# Altium PCB FX_PCB.PcbDoc (part 1 of 7)
Units mil, origin at the board's own origin, x right, y up, seen from the top; angles counter-clockwise.
Board outline 5533 x 3907 mil, 2 copper layers (Top Layer, Bottom Layer); 117 components, 100 nets, 439 pads, 176 vias.
Unrouted connection lines stored in the file: 106.
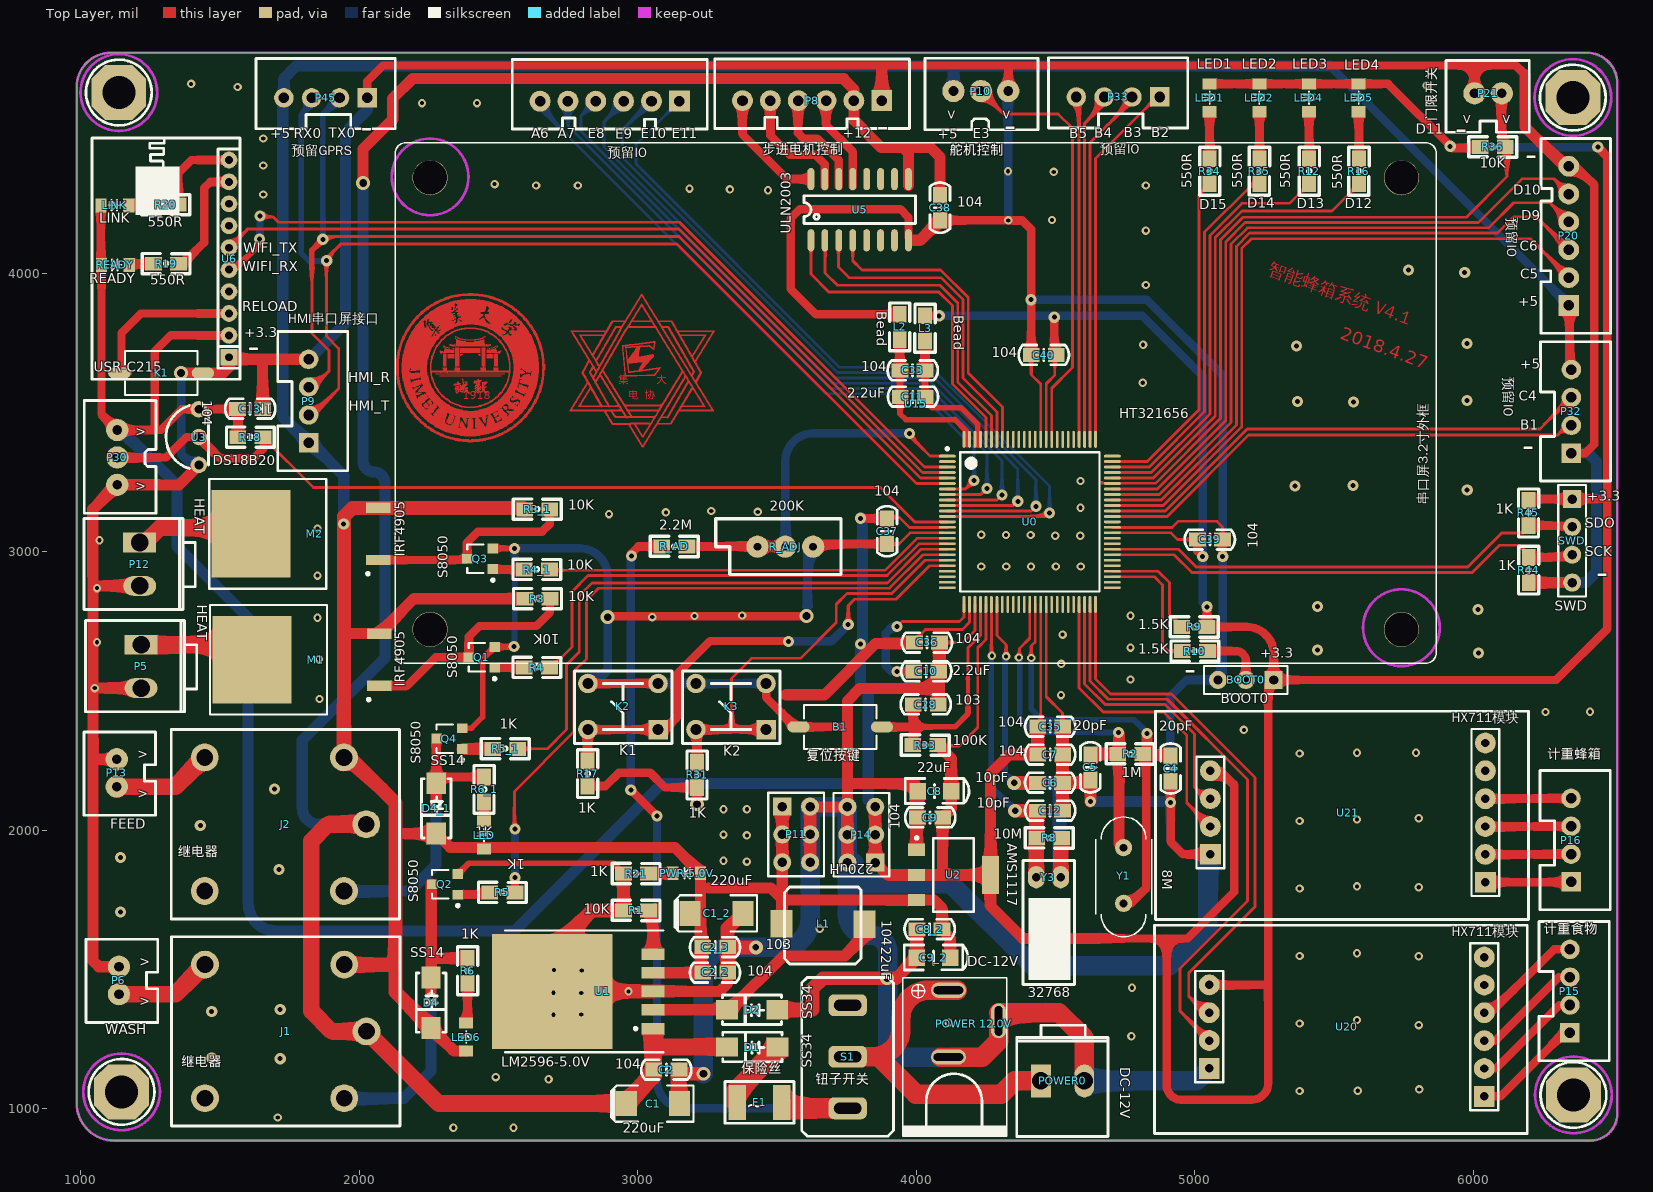
[diagram p0: Top Layer view]
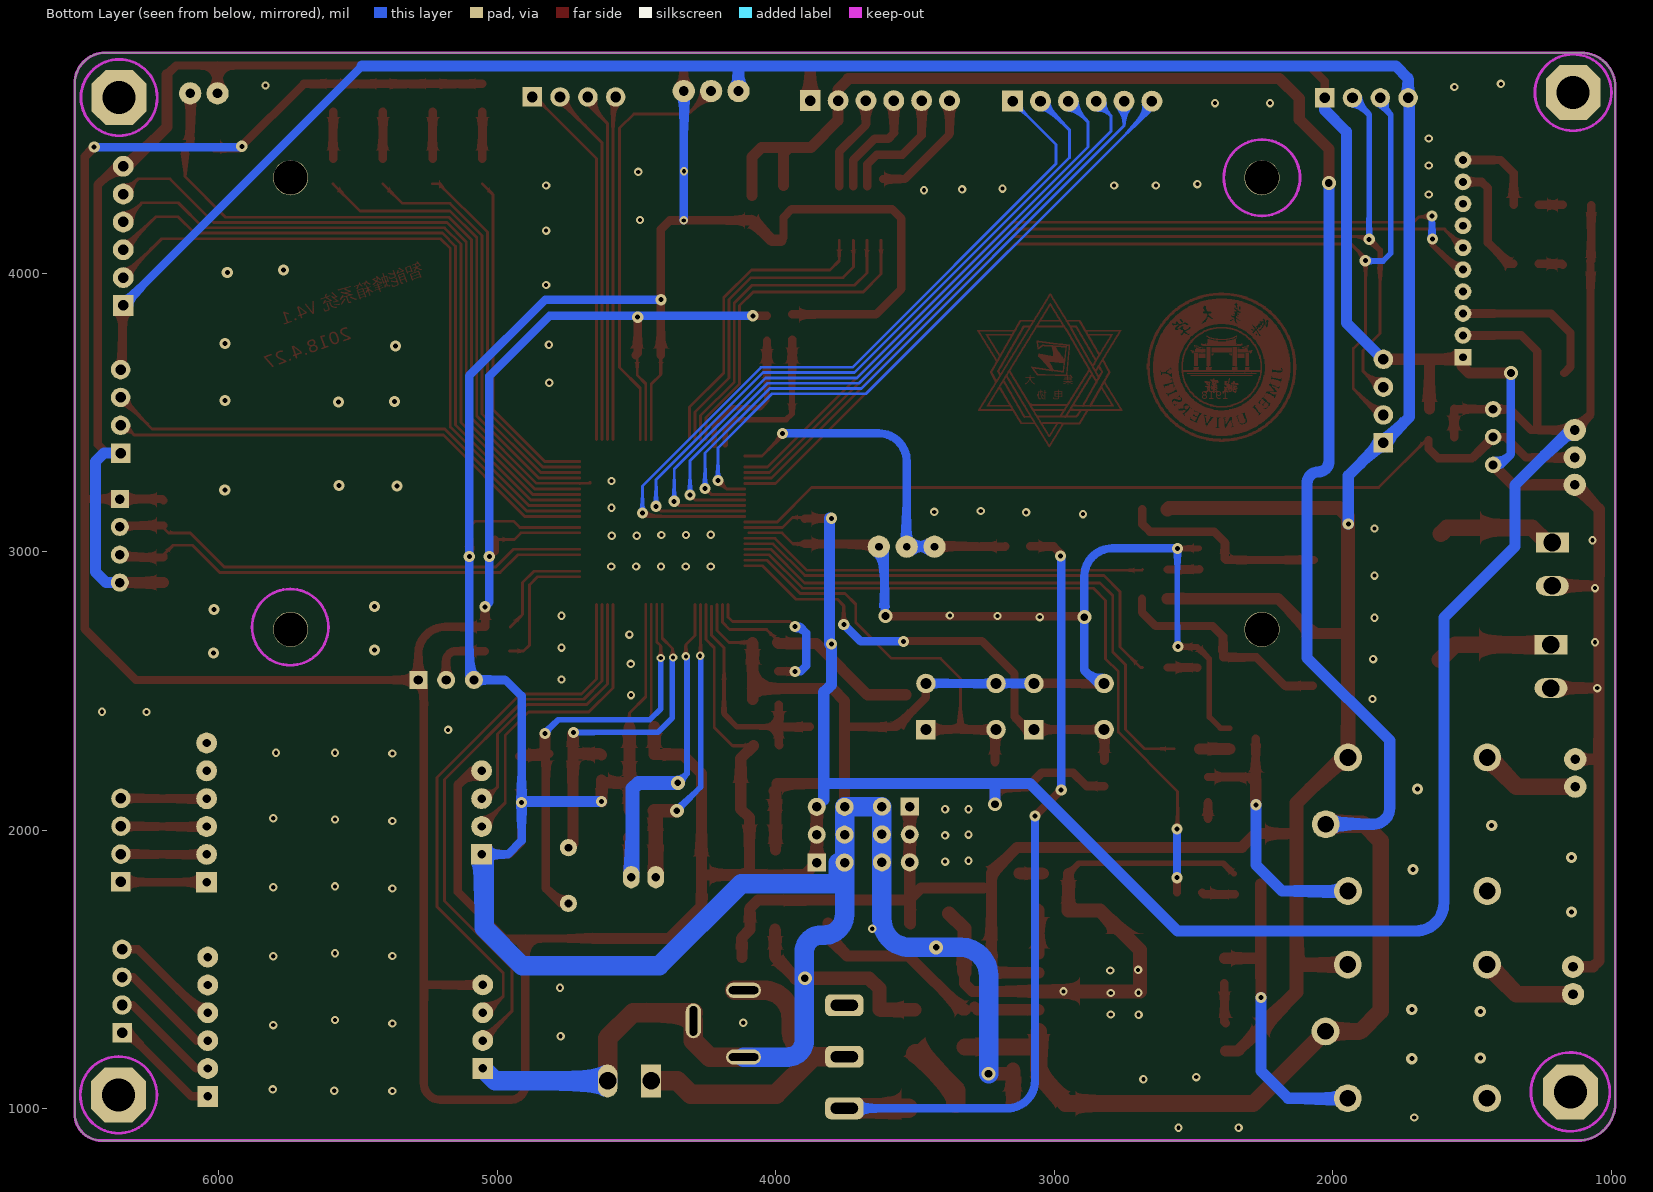
[diagram p1: Bottom Layer view, seen from below]

## Layer stack, top to bottom
Top Solder: solder mask 0.4, Solder Resist, Dk 3.5
Top Layer: signal copper 1.4
Dielectric 1: dielectric 12.6, FR-4, Dk 4.8
Bottom Layer: signal copper 1.4
Bottom Solder: solder mask 0.4, Solder Resist, Dk 3.5

## Board outline
985,1019.83 ccw(c1119.83,1019.83) 1119.83,885 6421.18,885 ccw(c6421.18,981.82) 6518,981.82 6518,4681.25 ccw(c6407.25,4681.25) 6407.25,4792 1107.82,4792 ccw(c1107.82,4669.18) 985,4669.18

## Design rules (kind name [scope] priority, off if disabled: settings)
Clearance [All] p1: gap=9 ignorepadtopadclearanceinfootprint=FALSE except(0: Arc-Hole Track-Hole SMDPad-Hole THPad-Hole Via-Hole Fill-Hole Poly-Hole Region-Hole Text-Hole)
ComponentClearance [All] p1: gap=0 collisioncheckmode=3 verticalgap=0 showdistances=FALSE
PolygonConnect [All] p1: connectstyle=Relief reliefconductorwidth=10 reliefentries=4 polygonreliefangle="90 Angle" airgapwidth=10
RoutingVias [All] p1: holewidth=28 width=50 viastyle="Through Hole" minholewidth=28 minwidth=50 maxholewidth=28 maxwidth=50
SolderMaskExpansion [All] p1: expansion=4
Width [All] p1: maxlimit=80 minlimit=8 preferedwidth=40
29 further rules are at their usual default settings.

## Classes and differential pairs
component class FX_HT32: C1 C1_2 C2 C2_2 C2_3 C8 C8_2 C9 C9_2 C13 C38 D1 D2 D4 D4_1 F1 J1 J2 K1 K2 K3 L1 LED LED1 LED2 LED4 LED5 LED6 LINK M1 M2 P5 P6 P8 P9 P10 P11 P12 P13 P14 P15 P16 P30 P45 POWER0 "POWER 12.0V" PWR-5.0V Q1 Q2 Q3 Q4 R1 R3 R3_1 R4 R4_1 R5 R5_1 R6 R6_1 R12 R16 R17 R18 R19 R20 R21 R31 R34 R35 R_AD R_ADJ READY S1 U1 U2 U3 U5 U6 U15 U20 U21
component class FX_MCU: B1 BOOT0 C4 C5 C6 C7 C10 C11 C12 C28 C33 C35 C36 C37 C39 C40 L2 L3 P20 P21 P32 P33 R2 R8 R9 R10 R33 R36 R44 R45 SWD U0 Y1 Y3

## Components (designator, comment, footprint, x,y, rotation, side; value= is the part's Value field where it differs from the comment)
B1 "复位按键" 贴片按键 3583,2368 r0 top
BOOT0 "BOOT0" "Header 3" 5190,2534 r180 top
C1 "220uF" Cap1(100uF) 2960.06,1018 r180 top
C1_2 "220uF" Cap1(100uF) 3188.06,1701 r180 top
C2 "104" 0805C 3143.06,1140 r180 top
C2_2 "104" 0805C 3318.06,1489 r180 top
C2_3 "103" 0805C 3318.06,1580 r180 top
C4 "20pF" 0805C 4914,2181 r90 top
C5 "20pF" 0805C 4626,2185 r90 top
C6 "10pF" 0805C 4440.69,2170 r0 top
C7 "104" 0805C 4521.64,2271.5 r180 top
C8 "22uF" Cap122uF) 4126.06,2140 r0 top
C8_2 "104" 0805C 4008.06,1644 r0 top
C9 "104" 0805C 4010.06,2045 r0 top
C9_2 "22uF" Cap122uF) 4122.06,1542 r0 top
C10 "2.2uF" 0805C 3996,2570 r0 top
C11 "2.2uF" 0805C 3948,3556 r0 top
C12 "10pF" 0805C 4440.69,2069.5 r0 top
C13 "104" 0805C 1568,3513 r0 top
C28 "103" 0805C 3994,2451 r0 top
C33 "104" 0805C 3947,3651 r0 top
C35 "104" 0805C 4521.64,2372 r180 top
C36 "104" 0805C 4079,2674 r180 top
C37 "104" 0805C 3896,3033 r90 top
C38 "104" 0805C 4086,4195 r90 top
C39 "104" 0805C 5095,3044 r180 top
C40 "104" 0805C 4418,3706 r0 top
D1 "SS34" SS14 3495.06,1222 r180 top
D2 "SS34" SS14 3494.06,1356 r180 top
D4 "SS14" SS14 2257,1464 r270 top
D4_1 "SS14" SS14 2275.59,2161.42 r270 top
F1 "保险丝" 1812 3523.06,1022 r180 top
J1 "继电器" 继电器 2027,1275 r270 top
J2 "继电器" 继电器 2026,2019 r270 top
K1 "" 贴片按键 1144,3639 r0 top
K2 "K1" SW_PB4_DIP 2821,2360 r0 top
K3 "K2" SW_PB4_DIP 3209,2360 r0 top
L1 "220uH" "电感 220uh" 3812.06,1665 r180 top
L2 "Bead" 0805L 3940,3848 r270 top
L3 "Bead" 0805L 4031,3843 r270 top
LED "" 0805LED 2446,1934 r90 top
LED1 "LED1" 0805LED 5056,4678 r270 top
LED2 "LED2" 0805LED 5234.33,4678 r270 top
LED4 "LED3" 0805LED 5412.67,4678 r270 top
LED5 "LED4" 0805LED 5591,4678 r270 top
LED6 "" 0805LED 2382,1209 r90 top
LINK "LINK" 0805LED 1074,4246 r0 top
M1 "IRF4905" IRF4905 1618,2628 r90 top
M2 "IRF4905" IRF4905 1615,3080 r90 top
P5 "HEAT" HEAT 1216,2664 r270 top
P6 "WASH" 接线端子(小)-2PIN 1137,1411 r90 top
P8 "步进电机控制" 接线端子(小)-6PIN 3477,4622 r0 top
P9 "HMI串口屏接口" 接线端子(小)-4PIN 1821,3590 r270 top
P10 "舵机控制" 接线端子(小)-3PIN 4134,4674 r0 top
P11 "" "Header 3X2" 3516.06,2086 r0 top
P12 "HEAT" HEAT 1211,3031 r270 top
P13 "FEED" 接线端子(小)-2PIN 1129,2156 r90 top
P14 "" "Header 3X2" 3856.06,1882 r180 top
P15 "计重食物" 接线端子(小)-4PIN 6351,1471 r270 top
P16 "计重蜂箱" 接线端子(小)-4PIN 6355,2013 r270 top
P20 "预留IO" 接线端子(小)-6PIN 6345.9,4283.65 r270 top
P21 "门限开关" 接线端子(小)-2PIN 6005,4646 r0 top
P30 "" 接线端子(小)-3PIN 1111,3240 r90 top
P32 "预留IO" 接线端子(小)-4PIN 6356,3553 r270 top
P33 "预留IO" 接线端子(小)-4PIN 4676,4636 r0 top
P34 "预留IO" 接线端子(小)-6PIN 2750,4620 r0 top
P45 "预留GPRS" 接线端子(小)-4PIN 1830,4633 r0 top
POWER0 "DC-12V" HEAT 4450.06,1099 r0 top
"POWER 12.0V" "DC-12V" DC-005 4121.06,1430 r270 top
PWR-5.0V "" 0805LED 3224.06,1843 r180 top
Q1 "S8050" NPN 2486,2658 r90 top
Q2 "S8050" NPN 2354,1843 r90 top
Q3 "S8050" NPN 2480,3012 r90 top
Q4 "S8050" NPN 2370.08,2366.14 r90 top
R1 "10K" 0805R 2994.06,1712 r0 top
R2 "1M" 0805R 4769,2274 r0 top
R3 "10K" 0805R 2640,2831 r180 top
R3_1 "10K" 0805R 2639,3152 r180 top
R4 "10K" 0805R 2638,2584 r180 top
R4_1 "10K" 0805R 2638,2936 r180 top
R5 "1K" 0805R 2514,1776 r180 top
R5_1 "1K" 0805R 2524,2292 r180 top
R6 "1K" 0805R 2389,1495 r90 top
R6_1 "1K" 0805R 2448,2146 r90 top
R8 "10M" 0805R 4478,1972 r0 top
R9 "1.5K" 0805R 4999,2730 r0 top
R10 "1.5K" 0805R 5001,2643 r0 top
R12 "550R" 0805R 5411.33,4366 r90 top
R16 "550R" 0805R 5590,4366 r90 top
R17 "1K" 0805R 2820,2203 r90 top
R18 "1K" 0805R 1609,3411 r180 top
R19 "550R" 0805R 1306,4034 r180 top
R20 "550R" 0805R 1305,4246 r180 top
R21 "1K" 0805R 2994.06,1844 r180 top
R31 "1K" 0805R 3213,2198 r90 top
R33 "100K" 0805R 4033,2305 r180 top
R34 "550R" 0805R 5054,4366 r90 top
R35 "550R" 0805R 5232.67,4366 r90 top
R36 "10K" 0805R 6071,4454 r0 top
R44 "1K" 0805R 6200,2934 r270 top
R45 "1K" 0805R 6199,3139 r90 top
R_AD "2.2M" 0805R 3131,3019 r0 top
R_ADJ "200K" 电位器 3630,3018 r180 top
READY "READY" 0805LED 1076,4032 r0 top
S1 "钮子开关" 钮子开关(大) 3753.06,1005 r90 top
SWD "SWD" "Header 4" 6355,3190 r0 top
U0 "HT321656" LQFP100 4408,3107 r0 top locked
U1 "LM2596-5.0V" TO-263-5 3056.06,1291 r90 top
U2 "AMS1117" SOT-223 4000.06,1926 r270 top
U3 "DS18B20" DS18B20 1425,3411 r0 top
U5 "ULN2003" ULN2003 3792,4232 r90 top
U6 "USR-C215" USR-C215 1268,4292 r0 top
U15 "串口屏3.2寸外框" "串口屏 3.2寸" 4156,3347 r180 top locked
U20 "HX711模块" HX711模块 5545,1363 r0 top locked
U21 "HX711模块" HX711模块 5549,2132 r0 top locked
Y1 "8M" 22M(晶振) 4745,1937 r270 top
Y3 "32768" XTAL 4492,1835 r0 top

## Footprints (in the part's own frame and the unit in brackets; to place one, negate y for a bottom-side part, rotate by r counter-clockwise, add the part's x,y. Pads: shape width x height; smd on the part's side, far side on the other; paste and mask are expansions set on the pad)
22M(晶振) [mil]
  round 62 hole 28: 1(0,0) 2(200,0)
  silkscreen extent -110,-100 320,100, body extent -114,-102 326,82, height 143
0805C [mil]
  rect 60x50 smd: 1(-5,0) 2(85,0)
  silkscreen extent -50,-35 131,36, body extent -16,-26 102,29, height 37
0805L [mil]
  rect 60x50 smd: 1(-4.21,0.94) 2(85.79,0.94)
  silkscreen extent -45,-36 127,37, body extent 2,-24 80,26, height 20
0805LED [mil]
  rect 40x50 smd: 1(-2,-2) 2(98,-2)
  silkscreen extent 25,-22 71,18, body extent 7,-27 87,23, height 43
0805R [mil]
  rect 60x50 smd: 1(-45,0) 2(45,0)
  silkscreen extent -86,-37 86,36, body extent -38,-25 40,25, height 22
1812 [mm]
  rect 1.6x3.2 smd: 1(0.127,0) 2(4.227,0)
  silkscreen extent -0.97,-1.9 5.33,1.9, body extent -0.07,-1.6 4.43,1.6, height 1.6
Cap1(100uF) [mil]
  rect 75x90 smd: 1(0,0) 2(-190,0)
  silkscreen extent -240,-65 55,65, body extent -213,-63 23,63, height 102
Cap122uF) [mil]
  rect 60x60 smd: 1(0,0) 2(-120,0)
  silkscreen extent -165,-45 64,45, body extent -122,-33 12,30, height 65
DC-005 [mil]
  oval 55x125 hole 27.56 slot 106.3 at 90 deg: 1(5,-5) 2(245,-5)
  oval 125x55 hole 27.56 slot 106.3 at 0 deg: 3(115,175)
  silkscreen extent -40,-170 530,205, body extent -36,-168 538,207, height 430
DS18B20 [mm]
  round 1.5 hole 0.8: 1(-0.027,-2.523) 2(-0.027,0.017) 3(-0.027,2.557)
  silkscreen extent -3.03,-2.86 0.85,2.88, body extent -2.73,-2.81 1.45,2.93, height 16.25
"Header 3" [mil]
  rect 65x65 hole 34: 1(-94.03,-5.18)
  round 65 hole 34: 2(5.97,-5.18) 3(105.97,-5.18)
  silkscreen extent -144,-55 156,45, body extent -142,-59 158,41, height 336
"Header 3X2" [mil]
  rect 65x65 hole 34: 1(2.94,-1.52)
  round 65 hole 34: 2(102.94,-1.52) 3(2.94,-101.52) 4(102.94,-101.52) 5(2.94,-201.52) 6(102.94,-201.52)
  silkscreen extent -47,-252 153,48, body extent -42,-252 156,52, height 330
"Header 4" [mil]
  rect 65x65 hole 34: 1(0.95,-0.93)
  round 65 hole 34: 2(0.95,-100.93) 3(0.95,-200.93) 4(0.95,-300.93)
  silkscreen extent -49,-351 51,49, body extent -51,-354 49,46, height 336
HEAT [mm]
  rect 1.8x3 hole 1.6: 1(-0.051,0.007)
  oval 1.8x3 hole 1.6: 2(3.909,0.007)
  silkscreen extent -2.25,-5.07 6.07,5.09, body extent -0.47,-3.57 4.61,2.78, height 11.68
HX711模块 [mil]
  round 75 hole 30: 1(-492.49,81.19) 2(-492.49,-18.81) 3(-492.49,-118.81) 6(495.26,-219) 7(495.26,-119) 8(495.26,-19) 9(495.26,81) 10(495.26,181)
  rect 75x75 hole 30: 4(-492.49,-218.81) 5(495.26,-319)
  silkscreen extent -689,-453 650,295, body extent -669,-433 630,276, height 340
IRF4905 [mm]
  rect 8x7.2 smd: 1(-0.41,0.087)
  rect 0.95x2.25 smd: 2(-2.79,-11.513) 3(1.97,-11.513)
  silkscreen extent -5.41,-10.69 4.59,3.91, body extent -5.41,-6.76 4.59,1.94, height 4.5
LQFP100 [mm]
  oval 1.55x0.25 smd: 1(-7.525,6) 2(-7.525,5.5) 3(-7.525,5) 4(-7.525,4.5) 5(-7.525,4) 6(-7.525,3.5) 7(-7.525,3) 8(-7.525,2.5) 9(-7.525,2) 10(-7.525,1.5) 11(-7.525,1) 12(-7.525,0.5) 13(-7.525,0) 14(-7.525,-0.5) 15(-7.525,-1) 16(-7.525,-1.5) 17(-7.525,-2) 18(-7.525,-2.5) 19(-7.525,-3) 20(-7.525,-3.5) 21(-7.525,-4) 22(-7.525,-4.5) 23(-7.525,-5) 24(-7.525,-5.5) 25(-7.525,-6) 51(7.525,-6) 52(7.525,-5.5) 53(7.525,-5) 54(7.525,-4.5) 55(7.525,-4) 56(7.525,-3.5) 57(7.525,-3) 58(7.525,-2.5) 59(7.525,-2) 60(7.525,-1.5) 61(7.525,-1) 62(7.525,-0.5) 63(7.525,0) 64(7.525,0.5) 65(7.525,1) 66(7.525,1.5) 67(7.525,2) 68(7.525,2.5) 69(7.525,3) 70(7.525,3.5) 71(7.525,4) 72(7.525,4.5) 73(7.525,5) 74(7.525,5.5) 75(7.525,6)
  oval 0.25x1.55 smd: 26(-6,-7.525) 27(-5.5,-7.525) 28(-5,-7.525) 29(-4.5,-7.525) 30(-4,-7.525) 31(-3.5,-7.525) 32(-3,-7.525) 33(-2.5,-7.525) 34(-2,-7.525) 35(-1.5,-7.525) 36(-1,-7.525) 37(-0.5,-7.525) 38(0,-7.525) 39(0.5,-7.525) 40(1,-7.525) 41(1.5,-7.525) 42(2,-7.525) 43(2.5,-7.525) 44(3,-7.525) 45(3.5,-7.525) 46(4,-7.525) 47(4.5,-7.525) 48(5,-7.525) 49(5.5,-7.525) 50(6,-7.525) 76(6,7.525) 77(5.5,7.525) 78(5,7.525) 79(4.5,7.525) 80(4,7.525) 81(3.5,7.525) 82(3,7.525) 83(2.5,7.525) 84(2,7.525) 85(1.5,7.525) 86(1,7.525) 87(0.5,7.525) 88(0,7.525) 89(-0.5,7.525) 90(-1,7.525) 91(-1.5,7.525) 92(-2,7.525) 93(-2.5,7.525) 94(-3,7.525) 95(-3.5,7.525) 96(-4,7.525) 97(-4.5,7.525) 98(-5,7.525) 99(-5.5,7.525) 100(-6,7.525)
  silkscreen extent -7.65,-6.35 6.35,6.8, body extent -7,-7 7,7, height 1.6
NPN [mm]
  rect 0.9x0.95 smd: 1(-0.001,0.001) 2(-1.901,0.001) 3(-0.951,2.351)
  silkscreen extent -3.03,-0.12 0.35,2.35, body extent -2.47,-0.21 0.43,2.59, height 1.2
SOT-223 [mm]
  rect 1.1x1.55 smd: 1(-0.09,0.029) 2(2.21,0.029) 3(4.51,0.029)
  rect 3.45x1.55 smd: 4(2.21,6.779)
  silkscreen extent -1.29,-0.07 5.56,5.25, body extent -1.09,-0.53 5.51,6.83, height 0.8
SS14 [mm]
  rect 2x1.75 smd: 1(-0.178,0.025) 2(4.422,0.025)
  silkscreen extent -0.58,-1.32 4.82,1.38, body extent -0.38,-1.32 4.73,1.35, height 2.12
SW_PB4_DIP [mil]
  rect 70x70 hole 39.37: 1(251.98,1.32)
  round 70 hole 39.37: 2(251.98,166.68) 3(0.02,166.68) 4(0.02,1.32)
  silkscreen extent -48,-49 302,211, body extent -37,-49 288,207, height 315
TO-263-5 [mm]
  rect 1.05x2.1 smd: 1(-0.098,0.017) 2(1.602,0.017) 3(3.302,0.017) 4(5.002,0.017) 5(6.702,0.017)
  rect 10.5x11 smd: 6(3.302,9.229)
  silkscreen extent -2.25,-0.93 8.85,13.52, body extent -2.03,-0.46 8.64,14.53, height 3
ULN2003 [mil]
  oval 80x24 smd: 1(-113.69,169.78) 2(-113.69,119.78) 3(-113.69,69.78) 4(-113.69,19.78) 5(-113.69,-30.22) 6(-113.69,-80.22) 7(-113.69,-130.22) 8(-113.69,-180.22) 9(106.31,-180.22) 10(106.31,-130.22) 11(106.31,-80.22) 12(106.31,-30.22) 13(106.31,19.78) 14(106.31,69.78) 15(106.31,119.78) 16(106.31,169.78)
  silkscreen extent -54,-205 46,195, body extent -122,-200 114,190, height 55
USR-C215 [mil]
  rect 60x60 hole 28: 1(264.14,-593.99)
  round 60 hole 28: 2(264.14,-515.25) 3(264.14,-436.51) 4(264.14,-357.77) 5(264.14,-279.03) 6(264.14,-200.29) 7(264.14,-121.55) 8(264.14,-42.81) 9(264.14,35.93) 10(264.14,114.67)
  silkscreen extent -228,-673 304,193, body extent -227,-672 303,193, height 40
XTAL [mil]
  oval 60x80 hole 30: 1(-61,-4) 2(27,-4)
  silkscreen extent -108,-389 77,56, body extent -82,-72 54,54, height 365
"串口屏 3.2寸" [mm]
  round 3.2 hole 3.1: A(-40.3,15.9) B(48.3,15.9) C(-40.3,-25.3) D(48.3,-25.3)
  silkscreen extent -43.5,-28.5 51.5,19
接线端子(小)-2PIN [mil]
  round 80 hole 35: 1(0,0) 2(98.43,0)
  silkscreen extent -102,-139 197,118, body extent -54,-137 146,113, height 460
接线端子(小)-3PIN [mil]
  round 80 hole 35: 1(0,-19.69) 2(98.43,-19.69) 3(196.85,-19.69)
  silkscreen extent -102,-159 303,98, body extent -52,-157 248,93, height 460
接线端子(小)-4PIN [mil]
  rect 70x70 hole 38: 1(199.11,-3)
  round 70 hole 38: 2(99.11,-3) 3(-0.89,-3) 4(-100.89,-3)
  silkscreen extent -201,-114 299,138, body extent -149,-118 251,132, height 460
接线端子(小)-6PIN [mil]
  rect 75x75 hole 38: 1(399.35,-2.1)
  round 75 hole 38: 2(299.35,-2.1) 3(199.35,-2.1) 4(99.35,-2.1) 5(-0.65,-2.1) 6(-100.65,-2.1)
  silkscreen extent -201,-102 499,148, body extent -146,-108 454,142, height 460
电位器 [mil]
  round 80 hole 28: 1(0,0) 2(100,0) 3(200,0)
  silkscreen extent -100,-100 350,100, body extent -88,-96 288,94, height 375
"电感 220uh" [mm]
  rect 2x2.5 smd: 1(-0.048,0.065) 2(7.496,0.04)
  silkscreen extent 0.26,-3.31 7.25,3.69, body extent 0.2,-3.4 7.32,3.71, height 4
继电器 [mil]
  round 100 hole 60: 1(-2.19,-1.05) 2(237.81,-581.05) 3(-242.19,-581.05) 4(237.81,-81.05) 5(-242.19,-81.05)
  silkscreen extent -342,-701 338,119, body extent -331,-732 335,134, height 587
贴片按键 [mil]
  oval 80x40 smd: 1(-5.71,2.8) 2(294.29,2.8)
  silkscreen extent 14,-76 274,82, body extent 24,-69 264,77, height 98
钮子开关(大) [mm]
  rrect50% 2x3.5 hole 1 slot 2.5 at 90 deg: 1(-0.102,-0.025) 2(4.598,-0.025) 3(9.298,-0.025)
  silkscreen extent -2.64,-4.21 11.83,4.17

## Part data
B1 K1: library part Key(两脚贴片)
BOOT0: library part "Header 3"
C1 C1_2 C8 C9_2: library part Cap1(100uF)
C2 C2_2 C2_3 C4 C5 C6 C7 C8_2 C9 C10 C11 C12 C13 C28 C33 C35 C36 C37 C38 C39 C40: library part C1
D1 D2: library part SS14
F1: library part F1
K2 K3: library part Key(四脚)
L1 L2 L3: library part L1
LED LED1 LED2 LED4 LED5 LED6 LINK PWR-5.0V READY: library part LED
P5 P6 P12 P13 P21 POWER0: library part 接线端子(小)-2PIN
P8 P20 P34: library part 接线端子(小)-6PIN
P9 P15 P16 P32 P33 P45: library part 接线端子(小)-4PIN
P10 P30: library part 接线端子(小)-3PIN
P11 P14: library part "Header 3X2"
"POWER 12.0V": library part DC-005
Q1 Q2 Q3 Q4: library part Q2
R1 R2 R3 R3_1 R4 R4_1 R5 R5_1 R6 R6_1 R8 R9 R10 R12 R16 R17 R18 R19 R20 R21 R31 R33 R34 R35 R36 R44 R45 R_AD: library part R1
R_ADJ: library part RPot
SWD: library part "Header 4"
U1: library part LM2596
U2: library part AMS1117-3.3V/5.0V
U15: library part 串口屏3.2寸
Y1 Y3: library part XTAL

## Free pads (board coordinates)
  oct 196.85x196.85 hole 118.11: 0(1136.48,4649.02) 0(1146.48,1060.02) 0(6358.48,4631.02) 0(6360.48,1049.02)

## Via types
v1: diameter 30, hole 15, Top Layer to Bottom Layer, 104 vias
v2: diameter 40, hole 18, Top Layer to Bottom Layer, 62 vias
v3: diameter 50, hole 28, Top Layer to Bottom Layer, 7 vias
v4: diameter 50, hole 23, Top Layer to Bottom Layer, 3 vias

## Nets (pads, with @x,y where several pads share a name; then routed paths per layer and width w, separated by ;. In a path a pad name is that pad's centre, name@x,y a point inside that pad or via, vN(x,y) a via of type N, cw(c..) or ccw(c..) an arc to the next point about the centre after c; other vN are vias at no path point)
3.3V: BOOT0.1 C7.2 C8.1 C9.2 C13.1 C35.2 C36.2 C37.2 C39.2 C40.2 L3.1 LED1.1 LED2.1 LED4.1 LED5.1 LINK.1 P14.1 P14.3 P14.5 P30.3 R9.2 R17.1 R18.2 R31.1 R33.1 R36.1 R45.2 READY.1 SWD.1 U0.14 U0.27 U0.30 U0.40 U0.61 U0.85 U2.2 U2.4 U3.3 U6.2 U20.1 U21.1 | length 24363.1
  Top Layer w10: C37.2@3896,3118 3901,3123 3940,3123 3975.68,3087.32 U0.14@4111.74,3087.32 ; C36.2@3994,2674 3994,2682 4033,2721 4166,2721 4191.46,2746.46 U0.27@4191.46,2810.74 ; R33.1@4078,2305 4080,2303 4155,2303 4221,2369 4221,2655 4250.52,2684.52 U0.30@4250.52,2810.74 ; C35.2@4436.64,2372 4447.37,2382.73 U0.40@4447.37,2810.74 ; U0.85@4467.06,3403.26 4467.06,3603.06 4498,3634 4498,3700 C40.2@4492,3706 ; U0.61@4704.26,3067.63 4915.37,3067.63 4939,3044 C39.2@5010,3044
  Top Layer w30: LINK.1@1072,4244 1072,4046 READY.1@1075,4043 ; READY.1@1074,4030 1074,3493.54 P30.3@1130.68,3436.85 1264,3436.85 ; U6.2@1532.14,3776.75 1322.75,3776.75 1265,3719 1265,3437.85 1264,3436.85 ; R18.2@1564,3411 1564,3512 C13.1@1563,3513 1561.68,3511.68 U3.3@1423.93,3511.68 1362.68,3511.68 1287.85,3436.85 1264,3436.85 ; R17.1@2820,2158 2884,2158 2932,2206 3045,2206 3098,2153 R31.1@3213,2153 ; v2(3800,3120) 3895,3119 C37.2@3896,3118 ; L3.1@4031.94,3847.21 v2(4082.79,3847.21) ; v2(4496,3842) 4496,3713 C40.2@4503,3706 ; 4656,1611 4900,1611 ; C39.2@5010,3044 5010,3002 v2(5029,2983) ; v2(5045,2802) 5044,2801 R9.2@5044,2730 5187,2730 cw(c5187,2632.97) 5284.03,2632.97 BOOT0.1@5284.03,2539.18 ; U20.1@5052.51,1444.19 5258.81,1444.19 5264,1439 ; LED1.1@5054,4680 LED2.1@5232.33,4680 LED4.1@5410.67,4680 LED5.1@5589,4680 5695,4680 5926,4449 R36.1@6016,4449 ; U21.1@5056.51,2213.19 5091.81,2213.19 5142,2163 5142,1778 4975,1611 4900,1611 ; R45.2@6199,3184 6204.07,3189.07 SWD.1@6355.95,3189.07 6473.93,3189.07 6482,3181 ; v2(6448,4453) 6482,4419 6482,3181 ; 4900,1611 4900,1083 ccw(c4951,1083) 4951,1032 5205.46,1032 ccw(c5205.46,1090.54) 5264,1090.54 5264,1439 ; 5264,1439 5264,2519.15 BOOT0.1@5284.03,2539.18 ; BOOT0.1@5284.03,2539.18 6298.18,2539.18 6482,2723 6482,3181
  Top Layer w40: v3(3213,2093) R31.1@3213,2153 ; 3533,2486 3670,2486 3854,2670 3990,2670 C36.2@3994,2674 ; P14.5@3853.11,2083.52 P14.3@3853.11,1983.52 P14.1@3853.11,1883.52 3897.63,1839 U2.2@4001.18,1839 4108.06,1839 ; R33.1@4080,2303 4126.06,2256.94 C8.1@4126.06,2140 4126.06,2076 C9.2@4095.06,2045 4095.06,1852 4108.06,1839 ; C35.2@4436.64,2372 C7.2@4436.64,2271.5 4334.5,2271.5 4266.93,2203.93 U2.4@4266.93,1839 ; 4656,1611 4383,1611 4266.93,1727.07 U2.4@4266.93,1839 ; 4108.06,1839 U2.4@4266.93,1839
  Bottom Layer w30: v2(4082.79,3847.21) 4812.79,3847.21 5029,3631 v2(5029,2983) 5029,2818 v2(5045,2802) ; v2(5918,4456) 5921,4453 v2(6448,4453)
  Bottom Layer w40: P30.3@1130.68,3436.85 1148.15,3436.85 1346,3239 1346,3019 1601,2764 1601,1738 ccw(c1701,1738) 1701,1638 2558,1638 3088,2168 3218,2168 ; v3(3213,2093) 3213,2163 3218,2168 ; v2(3800,2669) 3800,2522.29 3810.19,2512.1 3828,2496.46 3828,2108.63 P14.5@3853.11,2083.52 ; v2@3807,2669 v2@3807,3120 ; 3823,2168 3218,2168